# Altium PCB 2-quilter-output.PcbDoc (part 18 of 26)
Units mil, origin at the board's own origin, x right, y up, seen from the top; angles counter-clockwise.
Board outline 4130.55 x 4250 mil, 8 copper layers (L1, Ground L2, L3, Power L4, Ground L5, L6, Ground L7, L8), stack 62.985 mil thick; 591 components, 494 nets, 2245 pads, 1508 vias.
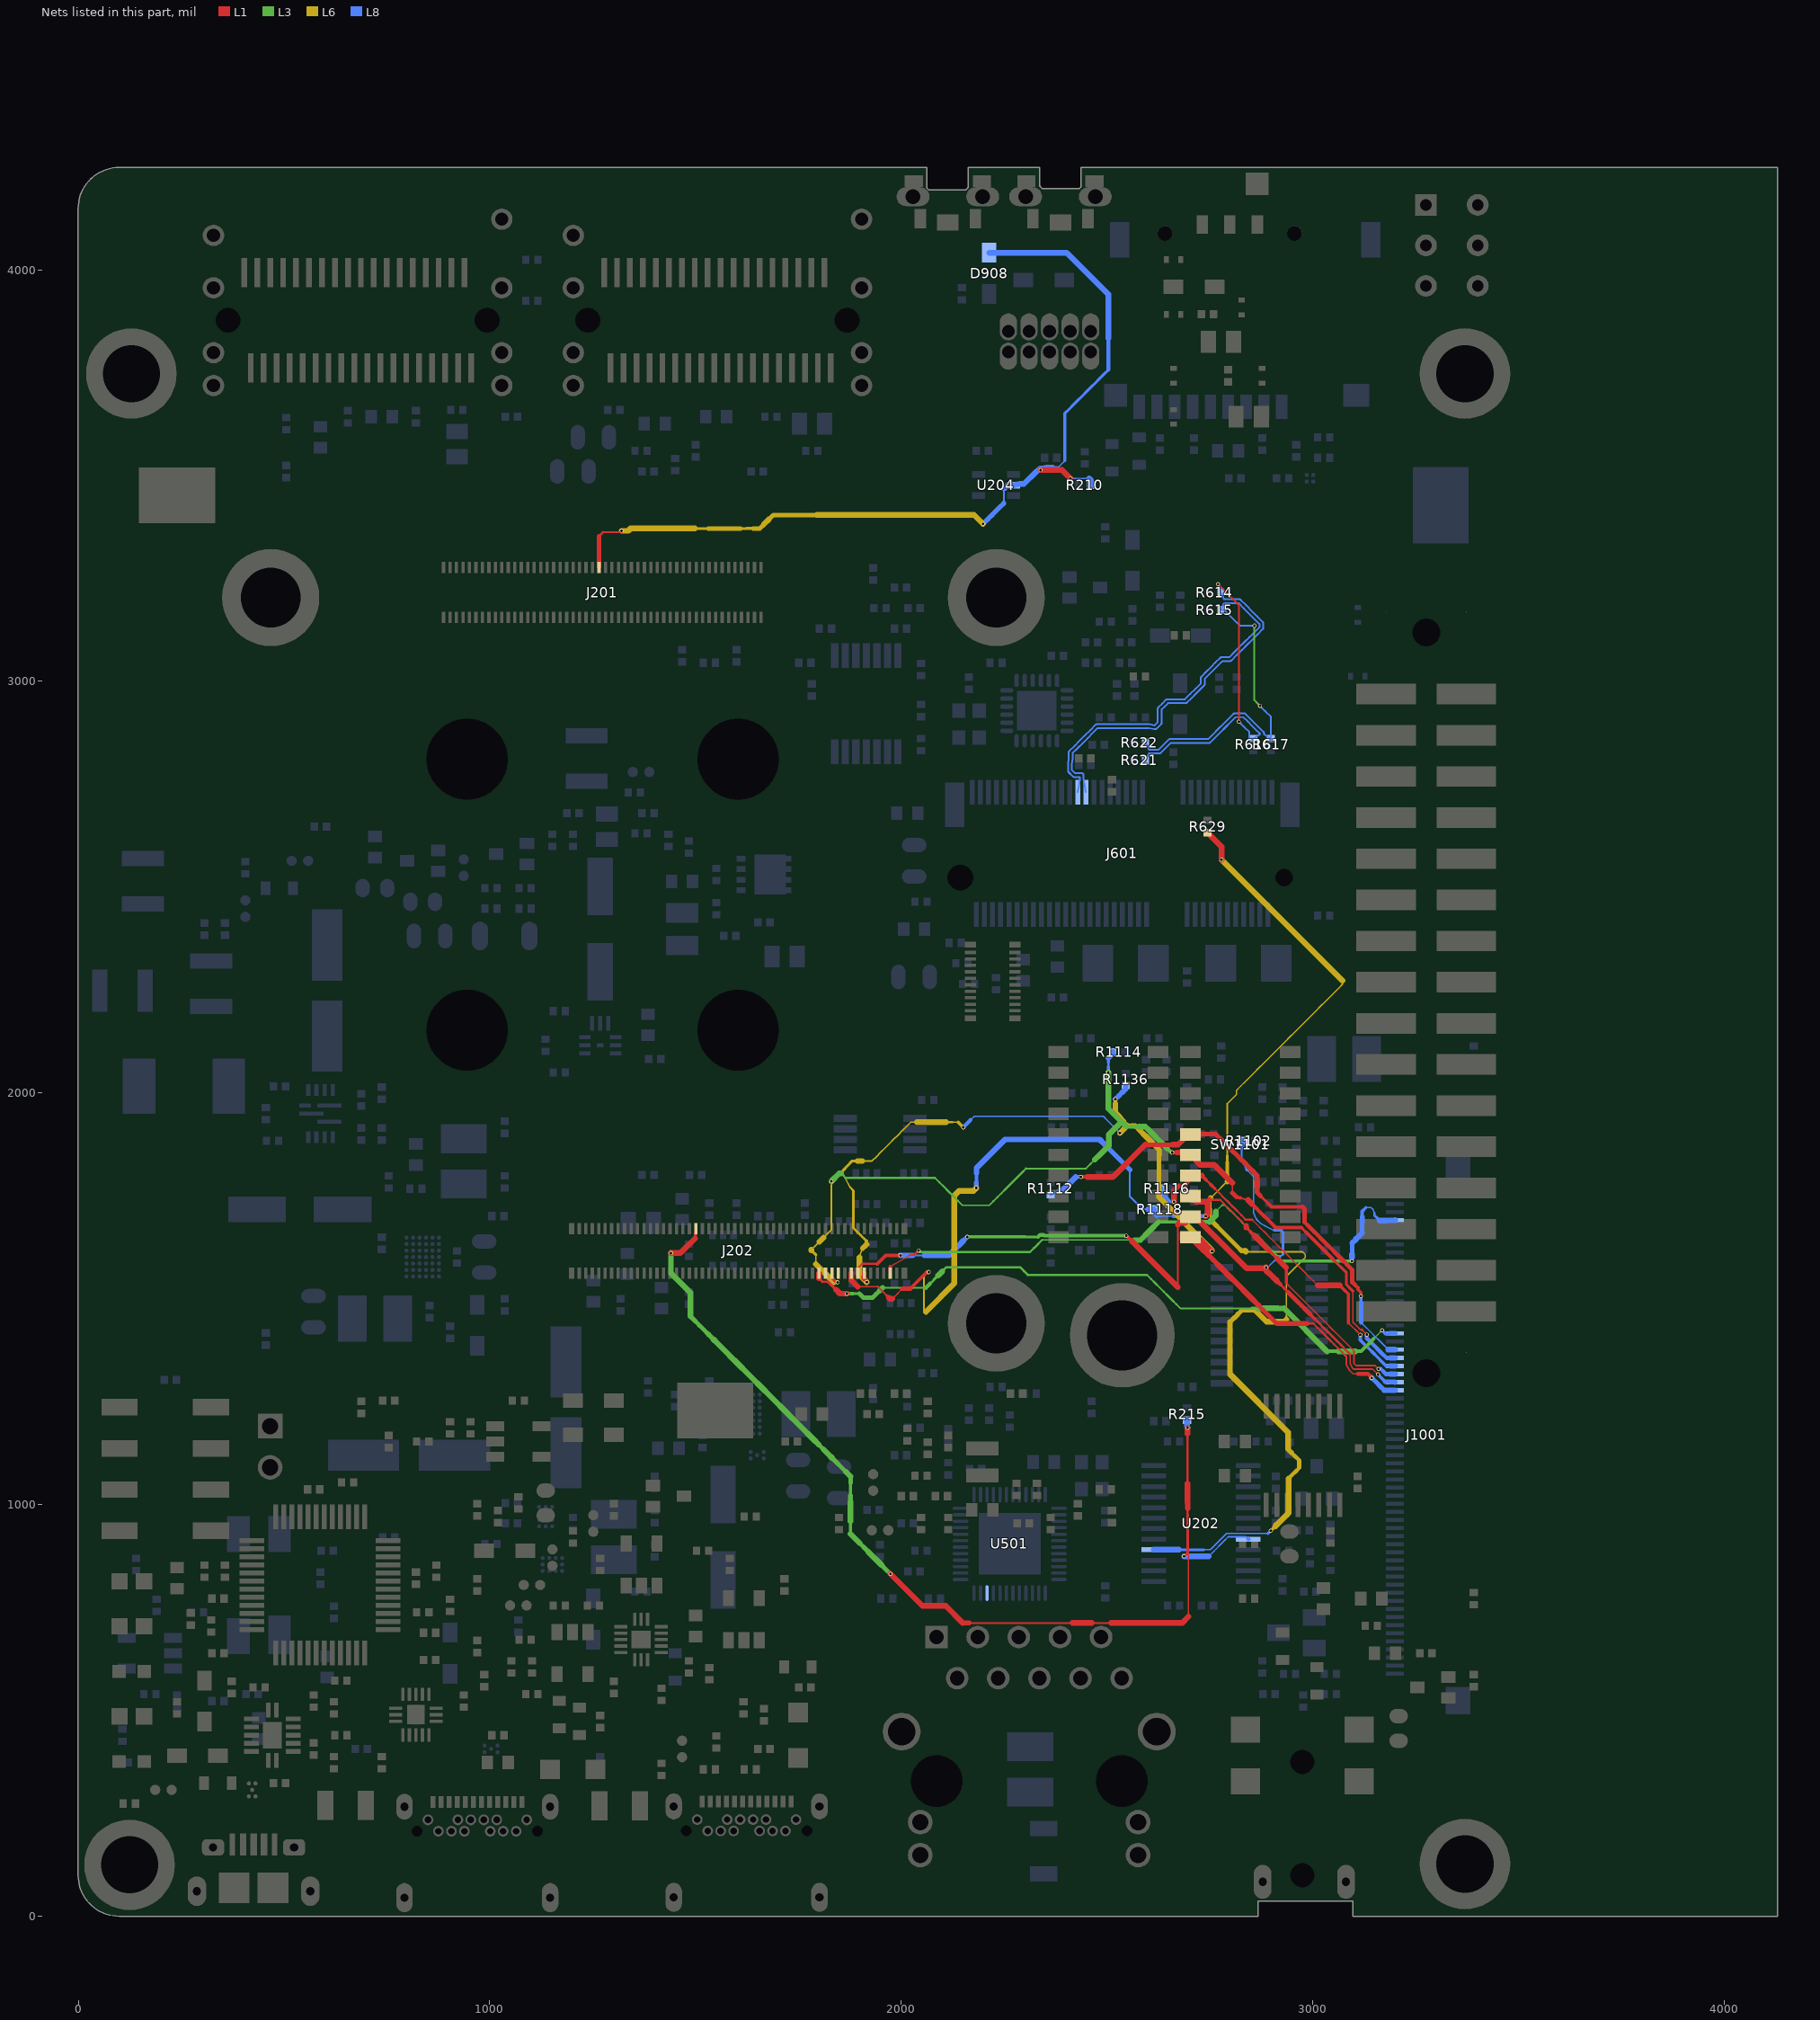
[diagram p24: the nets of this part, all layers, seen from the top]

## Via types
v1: diameter 9.85, hole 5.91, L1 to L8, tented both sides, 1508 vias

## Nets (pads, with @x,y where several pads share a name; then routed paths per layer and width w, separated by ;. In a path a pad name is that pad's centre, name@x,y a point inside that pad or via, vN(x,y) a via of type N, cw(c..) or ccw(c..) an arc to the next point about the centre after c; other vN are vias at no path point) (continued)
POR_B: D908.A J201.50 R210.1 U204.2 | length 2249.1
  L1 w3.83: 1275.45,3362.26 1289.33,3362.26 1303.21,3362.26 1317.09,3362.26 v1(1320.5,3365.67)
  L1 w5.87: 1265.77,3352.58 1275.45,3362.26
  L1 w9.96: J201.50@1265.76,3276.42 1265.77,3291.65 1265.77,3306.88 1265.77,3322.12 1265.77,3337.35
  L1 w10.99: 1265.77,3337.35 1265.77,3352.58
  L1 w14.05: v1(2339.11,3513.28) 2391.27,3513.28 v1(2411.85,3492.7)
  L6 w6.9: 1499.45,3371.23 1515.16,3371.23 1530.88,3371.23 ; 1609.44,3371.23 1625.15,3371.23
  L6 w7.92: 1625.15,3371.23 1640.86,3371.23
  L6 w10.99: 1530.88,3371.23 1546.59,3371.23 1562.3,3371.23 1578.01,3371.23 1593.72,3371.23 1609.44,3371.23 ; 1640.86,3371.23 1656.57,3371.23 1667.57,3382.24 ; 1678.57,3393.24 1689.57,3404.24 1704.59,3404.24 1719.61,3404.24 1734.62,3404.24 1749.64,3404.24 1764.65,3404.24 1779.67,3404.24 1795.1,3404.24
  L6 w14.05: v1(1320.5,3365.67) 1336.78,3365.67 1342.34,3371.23 1358.05,3371.23 1373.76,3371.23 1389.47,3371.23 1405.18,3371.23 1420.89,3371.23 1436.61,3371.23 1452.32,3371.23 1468.03,3371.23 1483.74,3371.23 1499.45,3371.23 ; 1667.57,3382.24 1678.57,3393.24 ; 1795.1,3404.24 1810.54,3404.24 1825.97,3404.24 1841.41,3404.24 1856.84,3404.24 1872.28,3404.24 1887.71,3404.24 1903.15,3404.24 1918.58,3404.24 1934.02,3404.24 1949.45,3404.24 1964.88,3404.24 1980.32,3404.24 1995.75,3404.24 2011.19,3404.24 2026.62,3404.24 2042.06,3404.24 2057.49,3404.24 2072.93,3404.24 2088.36,3404.24 2103.8,3404.24 2119.23,3404.24 2134.67,3404.24 2150.1,3404.24 2177.11,3404.24 2198.99,3382.36 v1(2199.38,3382.36)
  L8 w3.5: 2381.78,3519.51 2389.89,3527.62 2398,3535.73 ; v1(2411.85,3492.7) 2426.85,3492.7 2442.16,3492.7 2457.47,3492.7
  L8 w4.85: 2249.8,3432.77 2249.8,3444.62 2249.8,3456.46 2249.8,3468.3
  L8 w6.9: 2368.28,3519.51 2381.78,3519.51 ; 2398,3535.73 2398,3550.16 2398,3564.59 2398,3579.02 2398,3593.44 2398,3607.87 2398,3622.3 2398,3636.73 2398,3651.16 2408.56,3661.72 2419.12,3672.29 2429.68,3682.85 2440.25,3693.41 2450.81,3703.97 2461.37,3714.54 2471.93,3725.1 2482.5,3735.66 2493.06,3746.22 2503.62,3756.79
  L8 w7.92: v1(2199.38,3382.36) 2205.13,3388.11
  L8 w9.96: 2503.62,3756.79 2503.62,3772.11 2503.62,3787.44 2503.62,3802.77 2503.62,3818.1 2503.62,3833.42
  L8 w12.01: 2205.13,3388.11 2210.88,3393.85 2220.61,3403.58 2230.34,3413.31 2240.07,3423.04 2249.8,3432.77
  L8 w14.05: D908.A@2214.2,4041.47 2402.86,4041.48 2503.62,3940.71 2503.62,3925.38 2503.62,3910.06 2503.62,3894.73 2503.62,3879.4 2503.62,3864.08 2503.62,3848.75 2503.62,3833.42 ; 2249.8,3468.3 2258.3,3476.81 U204.2@2273.29,3476.82 2289.29,3479.48 2298.9,3479.48 2328.17,3508.74 v1@2338.9,3517.14 ; v1(2339.11,3513.28) 2339.11,3516.93 v1@2338.9,3517.14 ; 2368.28,3519.51 2354.77,3519.51 v1@2338.9,3517.14 ; 2457.47,3492.7 2461.2,3488.97 R210.1@2461.2,3476.82
PPS/GPIO: U501.22
REF_CLK_32K: J202.37 R215.1 U202.8 | length 2548.9
  L1 w3.5: 2696.37,881.74 2698.63,881.74 ; 2696.45,883.92 2698.63,881.74 ; 2698.63,726.94 2698.63,742.42 2698.63,757.9 2698.63,773.38 2698.63,788.86 2698.63,804.34 2698.63,819.82 2698.63,835.3 2698.63,850.78 2698.63,866.26 2698.63,881.74
  L1 w3.83: 2165.74,711.45 2181.41,711.45 2197.08,711.45 2212.75,711.45 2228.43,711.45 2244.1,711.45 2259.77,711.45 2275.45,711.45 2291.12,711.45 2306.79,711.45 2322.47,711.45 2338.14,711.45 2353.81,711.45 2369.49,711.45 2385.16,711.45 2400.83,711.45 2416.51,711.45 ; 2463.52,711.45 2479.2,711.45 2494.87,711.45 2510.54,711.45
  L1 w4.85: 2696.45,974.66 2696.45,989.78 ; 2696.45,1050.27 2696.45,1065.39 2696.45,1080.51 2696.45,1095.64 2696.45,1110.76 2696.45,1125.88 2696.45,1141 2696.45,1156.12 2696.45,1171.25
  L1 w5.87: J202.37@1500.04,1657.09 J202.37@1501.27,1669.64
  L1 w6.9: v1(2687.99,873.36) 2696.37,881.74 ; 2696.45,883.92 2696.45,899.04 2696.45,914.17 2696.45,929.29 2696.45,944.41 2696.45,959.53 2696.45,974.66
  L1 w7.92: 1498.95,1646.02 J202.37@1500.04,1657.09
  L1 w12.01: 2150.06,711.45 2165.74,711.45
  L1 w13.03: 2696.45,989.78 2696.45,1004.9
  L1 w14.05: v1(1440.6,1610.34) 1463.27,1610.34 1498.95,1646.02 ; v1(1974.3,830.56) 2051.7,753.15 2108.36,753.15 2150.06,711.45 ; 2416.51,711.45 2432.18,711.45 2447.85,711.45 2463.52,711.45 ; 2510.54,711.45 2526.22,711.45 2541.89,711.45 2557.56,711.45 2573.24,711.45 2588.91,711.45 2604.58,711.45 2620.26,711.45 2635.93,711.45 2651.6,711.45 2667.28,711.45 2682.95,711.45 2683.15,711.45 2698.63,726.94 ; 2696.45,1004.9 2696.45,1020.02 2696.45,1035.15 2696.45,1050.27 ; 2696.45,1171.25 v1(2696.45,1186.37)
  L3 w7.92: 1877.06,927.79 1877.06,943.34 1877.06,958.9 ; 1877.06,1021.11 1877.06,1036.66 1877.06,1052.22
  L3 w10.99: 1498.82,1446.02 1509.94,1434.89 1521.07,1423.77 1532.19,1412.64 ; 1799.19,1145.65 1810.31,1134.52 ; 1832.56,1112.27 1843.69,1101.15 1854.81,1090.02 1865.94,1078.9 ; 1877.06,1052.22 1877.06,1067.77 ; 1898.67,906.18 1909.47,895.38 ; 1952.69,852.16 1963.49,841.36 v1(1974.3,830.56)
  L3 w12.01: 1487.69,1457.14 1498.82,1446.02 ; 1877.06,1005.56 1877.06,1021.11 ; 1909.47,895.38 1920.28,884.57
  L3 w13.03: 1532.19,1412.64 1543.32,1401.52 ; 1810.31,1134.52 1821.44,1123.4
  L3 w14.05: v1(1440.6,1610.34) 1440.6,1561.95 1487.69,1514.86 1487.69,1457.14 ; 1543.32,1401.52 1554.44,1390.39 1565.57,1379.27 1576.69,1368.14 1587.82,1357.02 1598.94,1345.9 1610.07,1334.77 1621.19,1323.65 1632.32,1312.52 1643.44,1301.4 1654.57,1290.27 1665.69,1279.15 1676.82,1268.02 1687.94,1256.9 1699.07,1245.77 1710.19,1234.65 1721.32,1223.52 1732.44,1212.4 1743.57,1201.27 1754.69,1190.15 1765.81,1179.02 1776.94,1167.9 1788.06,1156.77 1799.19,1145.65 ; 1821.44,1123.4 1832.56,1112.27 ; 1865.94,1078.9 1877.06,1067.77 ; 1877.06,927.79 1887.87,916.98 1898.67,906.18 ; 1877.06,958.9 1877.06,974.45 1877.06,990 1877.06,1005.56 ; 1920.28,884.57 1931.08,873.77 1941.89,862.97 1952.69,852.16
  L8 w3.5: 2747.57,873.36 2757.1,882.89 2766.62,892.42 2776.15,901.94 2785.68,911.47 2795.2,921
  L8 w3.83: 2795.2,921 2808.46,921 2821.71,921 2830.03,921 2838.35,921 U202.8@2844.15,915.19
  L8 w14.05: v1(2687.99,873.36) 2707.34,873.36 2747.57,873.36 ; R215.1@2695.27,1204.24 2695.28,1187.55 v1(2696.45,1186.37)
REF_CLK_32K_3V3: R629.2 U202.16 | length 2723.5
  L1 w14.05: R629.2@2745.04,2631.98 2778.86,2598.16 2778.86,2577.98 v1(2778.86,2566.8)
  L6 w3.5: 2752.55,1744.18 2762.61,1754.23 2772.66,1764.29 2782.72,1774.35 2792.78,1784.4 ; 2792.78,1973.26 2800.23,1980.71 2807.68,1988.16 2815.13,1995.61 2815.13,2005.65 2825.9,2016.42 2836.67,2027.19 2847.44,2037.96 2858.21,2048.72 2868.98,2059.49 2879.75,2070.26 2890.52,2081.03 2901.29,2091.8 2912.05,2102.57 2922.82,2113.34 2933.59,2124.11 2944.36,2134.88 2955.13,2145.65 2965.9,2156.42 2976.67,2167.19 2987.44,2177.95 2998.21,2188.72 3008.98,2199.49 3019.75,2210.26 3030.52,2221.03 3041.28,2231.8 3052.05,2242.57 3062.82,2253.34 3073.35,2263.87 3073.35,2272.31 ; 2838.6,1613.61 2845.82,1613.61 2860.25,1613.61 2874.67,1613.61 2889.1,1613.61 2903.53,1613.61 2917.96,1613.61 2932.38,1613.61 2946.81,1613.61 2961.24,1613.61 2975.67,1613.61 2982.76,1606.53 2982.76,1600.11 2976.04,1593.4 2966.12,1583.48 2956.21,1573.56 2946.29,1563.64 2936.37,1553.72 2936.37,1539.91 2936.37,1526.1 2936.37,1512.28 2936.37,1498.47 2936.37,1484.66 2936.37,1470.84 2936.37,1457.03
  L6 w3.83: 2752.55,1717.59 2752.55,1730.88 2752.55,1744.17
  L6 w4.85: 2752.55,1691 2752.55,1704.3 ; 2792.78,1847.36 2792.78,1863.1 2792.78,1878.84 2792.78,1894.57 2792.78,1910.31 2792.78,1926.05 2792.78,1941.79 2792.78,1957.52 2792.78,1973.26
  L6 w5.87: 2752.55,1704.3 2752.55,1717.59 ; 2936.37,1448.79 2936.37,1457.03
  L6 w6.9: 2792.78,1831.62 2792.78,1847.36
  L6 w7.92: 2792.78,1800.15 2792.78,1815.89 2792.78,1831.62 ; v1(2898.83,935.94) 2909.93,947.04
  L6 w9.96: 2941.74,1062.33 2951.35,1071.95 2959.48,1080.08 2967.61,1088.21 2967.61,1097.52 2967.61,1106.83 2957.53,1116.92 2950.17,1124.27
  L6 w10.99: 2752.55,1691 2763.61,1679.95 2774.66,1668.89 2785.72,1657.84 2796.77,1646.78 2807.83,1635.73 2818.88,1624.67 2826.86,1616.7 ; 2792.78,1784.41 2792.78,1800.15 ; 2799.39,1442.38 2809.2,1452.19 ; 2819.01,1461.99 2828.81,1471.8 2844.46,1471.8 2860.22,1471.8 ; 2940.51,1133.94 2950.17,1124.27
  L6 w12.01: 2809.2,1452.19 2819.01,1461.99 ; 2826.86,1616.7 2835.52,1616.7
  L6 w14.05: v1(2778.86,2566.8) 3073.35,2272.31 ; 2799.39,1442.38 2799.39,1316.22 2940.51,1175.09 2940.51,1133.94 ; 2835.52,1616.7 2838.6,1613.61 ; 2860.22,1471.8 2888.61,1443.4 2930.98,1443.4 2936.37,1448.79 ; 2909.93,947.04 2921.02,958.13 2932.12,969.23 2941.73,978.84 2941.73,1062.33
  L8 w3.5: 2781.26,919.21 2791.13,929.09 2805.51,929.09 2819.88,929.09 2834.25,929.09 2848.62,929.09 2862.99,929.09 2877.36,929.09
  L8 w3.83: 2736.37,889.59 2751.63,889.59 2761.51,899.46 2771.38,909.34 2781.26,919.21 ; 2877.36,929.09 2891.73,929.09
  L8 w5.87: 2891.97,929.08 v1(2898.83,935.94)
  L8 w6.9: 2675.31,889.59 2690.58,889.59 2705.84,889.59 2721.11,889.59 2736.37,889.59
  L8 w7.92: 2891.73,929.08 2891.97,929.08
  L8 w14.05: U202.16@2614.25,889.59 2629.52,889.59 2644.78,889.59 2660.05,889.59 2675.31,889.59
REF_CLK_CN_N: J601.49 R615.2 R617.2 R622.1 | length 1637
  L3 w4.33: v1(2858.81,3135.15) 2858.81,3117.05 2858.81,3098.95 2858.81,3080.84 2858.81,3062.74 2858.81,3044.64 2858.81,3026.54 2858.81,3008.44 2858.81,2990.34 2858.81,2972.23 2858.81,2954.13 2865.62,2947.32 v1(2872.44,2940.51)
  L8 w4.28: J601.49@2429.36,2730.52 2431.95,2745.68 2434.56,2760.82 2434.26,2767.53 2420.78,2767.53 2420.68,2767.54 2420.56,2767.54 2420.43,2767.55 2420.31,2767.56 2420.19,2767.57 2420.07,2767.59 2419.95,2767.61 2419.83,2767.63 2419.71,2767.66 2419.59,2767.69 2419.48,2767.72 2419.36,2767.76 2419.24,2767.8 2419.13,2767.84 2419.02,2767.88 2418.9,2767.93 2418.79,2767.98 2418.68,2768.04 2418.57,2768.09 2418.47,2768.15 2418.36,2768.22 2418.26,2768.28 2418.16,2768.35 2418.06,2768.42 2417.96,2768.49 2417.87,2768.57 2417.77,2768.65 2417.68,2768.73 2417.59,2768.81 2417.5,2768.89 2407.32,2779.08 2407.24,2779.16 2407.16,2779.25 2407.08,2779.34 2407,2779.43 2406.92,2779.53 2406.85,2779.63 2406.78,2779.72 2406.71,2779.83 2406.65,2779.93 2406.58,2780.03 2406.52,2780.14 2406.47,2780.25 2406.41,2780.36 2406.36,2780.47 2406.31,2780.58 2406.27,2780.69 2406.23,2780.81 2406.19,2780.92 2406.15,2781.04 2406.12,2781.16 2406.09,2781.27 2406.06,2781.39 2406.03,2781.51 2406.01,2781.63 2406,2781.75 2405.98,2781.88 2405.97,2782 2405.96,2782.12 2405.96,2782.24 2405.96,2782.36 2405.96,2798.47 2405.96,2798.53 2405.96,2798.66 2405.97,2798.78 2405.98,2798.9 2405.99,2799.02 2407.67,2813.14 2407.67,2827.3 2407.68,2827.41 2407.68,2827.53 2407.69,2827.65 2407.7,2827.78 2407.71,2827.9 2407.73,2828.02 2407.75,2828.14 2407.77,2828.26 2407.8,2828.38 2407.83,2828.5 2407.86,2828.61 2407.9,2828.73 2407.94,2828.84 2407.98,2828.96 2408.02,2829.07 2408.07,2829.18 2408.12,2829.3 2408.18,2829.41 2408.23,2829.51 2408.29,2829.62 2408.36,2829.72 2408.42,2829.83 2408.49,2829.93 2408.56,2830.03 2408.63,2830.13 2408.71,2830.22 2408.78,2830.32 2408.87,2830.41 2408.95,2830.5 2409.03,2830.59 2421.76,2843.31 2434.49,2856.04 2447.22,2868.77 2459.95,2881.5 2472.68,2894.23 2472.76,2894.31 2472.85,2894.39 2472.94,2894.47 2473.03,2894.55 2473.13,2894.62 2473.22,2894.7 2473.32,2894.77 2473.42,2894.84 2473.53,2894.9 2473.63,2894.96 2473.74,2895.02 2473.85,2895.08 2473.96,2895.13 2474.07,2895.19 2474.18,2895.23 2474.29,2895.28 2474.41,2895.32 2474.52,2895.36 2474.64,2895.4 2474.76,2895.43 2474.87,2895.46 2474.99,2895.49 2475.11,2895.51 2475.23,2895.53 2475.35,2895.55 2475.47,2895.57 2475.6,2895.58 2475.72,2895.58 2475.84,2895.59 2475.96,2895.59 2494.1,2895.59 2512.23,2895.59 2530.37,2895.59 2548.51,2895.59 2566.64,2895.59 2584.78,2895.59 2602.91,2895.59 2603.02,2895.59 2603.15,2895.58 2603.27,2895.58 2603.39,2895.57 2603.51,2895.55 2603.63,2895.53 2603.75,2895.51 2603.87,2895.49 2616.05,2892.92 2623.95,2900.81 2623.95,2917 2623.95,2933.18 2623.95,2933.29 2623.95,2933.41 2623.96,2933.53 2623.97,2933.65 2623.98,2933.77 2624,2933.89 2624.02,2934.01 2624.05,2934.13 2624.07,2934.25 2624.1,2934.37 2624.13,2934.49 2624.17,2934.61 2624.21,2934.72 2624.25,2934.84 2624.3,2934.95 2624.34,2935.06 2624.4,2935.17 2624.45,2935.28 2624.51,2935.39 2624.57,2935.5 2624.63,2935.6 2624.69,2935.7 2624.76,2935.81 2624.83,2935.9 2624.9,2936 2624.98,2936.1 2625.06,2936.19 2625.14,2936.28 2625.22,2936.37 2625.31,2936.46 2634.57,2945.73 2643.83,2954.99 2643.91,2955.06 2644,2955.15 2644.09,2955.23 2644.18,2955.31 2644.28,2955.38 2644.38,2955.46 2644.48,2955.53 2644.58,2955.59 2644.68,2955.66 2644.79,2955.72 2644.89,2955.78 2645,2955.84 2645.11,2955.89 2645.22,2955.94 2645.33,2955.99 2645.45,2956.04 2645.56,2956.08 2645.68,2956.12 2645.79,2956.16 2645.91,2956.19 2646.03,2956.22 2646.15,2956.25 2646.27,2956.27 2646.39,2956.29 2646.51,2956.31 2646.63,2956.32 2646.75,2956.33 2646.87,2956.34 2646.99,2956.35 2647.11,2956.35 2661.41,2956.35 2675.7,2956.35 2690,2956.35 2702.9,2969.26 2715.81,2982.17 2728.72,2995.07 2728.72,3008.03 2728.72,3008.14 2728.73,3008.26 2728.73,3008.38 2728.75,3008.5 2728.76,3008.63 2728.78,3008.75 2728.8,3008.87 2728.82,3008.99 2728.85,3009.11 2728.88,3009.22 2728.91,3009.34 2728.95,3009.46 2728.98,3009.57 2729.03,3009.69 2729.07,3009.8 2729.12,3009.91 2729.17,3010.02 2729.22,3010.13 2729.28,3010.24 2729.34,3010.35 2729.4,3010.45 2729.47,3010.56 2729.53,3010.66 2729.61,3010.76 2729.68,3010.85 2729.75,3010.95 2729.83,3011.04 2729.91,3011.14 2729.99,3011.23 2730.08,3011.31 2741.53,3022.77 2752.99,3034.22 2764.44,3045.67 2775.89,3057.13 2775.97,3057.2 2776.06,3057.28 2776.15,3057.36 2776.24,3057.44 2776.34,3057.52 2776.44,3057.59 2776.54,3057.66 2776.64,3057.73 2776.74,3057.8 2776.85,3057.86 2776.95,3057.92 2777.06,3057.98 2777.17,3058.03 2777.28,3058.08 2777.39,3058.13 2777.5,3058.17 2777.62,3058.22 2777.73,3058.26 2777.85,3058.29 2777.97,3058.33 2778.09,3058.36 2778.21,3058.38 2778.32,3058.41 2778.44,3058.43 2778.57,3058.44 2778.69,3058.46 2778.81,3058.47 2778.93,3058.48 2779.05,3058.48 2779.17,3058.49 2797.74,3058.49 2809.96,3070.7 2822.18,3082.92 2834.39,3095.14 2846.61,3107.35 2858.83,3119.57 2871.05,3131.79 2871.05,3139.2 2858.35,3151.89 2845.66,3164.58 2832.97,3177.27 2820.28,3189.97 2802.84,3189.97 2785.39,3189.97 R615.2@2776.38,3173.37 2785.39,3173.39 2798.14,3160.64 2810.89,3147.89 2823.63,3135.15 2841.22,3135.15 v1(2858.81,3135.15) ; R622.1@2593.91,2850.58 2602.91,2834.01 2614.59,2834.01 2626.26,2834.01 2638.28,2846.03 2650.3,2858.04 2650.38,2858.12 2650.47,2858.2 2650.56,2858.28 2650.65,2858.36 2650.75,2858.44 2650.84,2858.51 2650.94,2858.58 2651.04,2858.65 2651.15,2858.71 2651.25,2858.78 2651.36,2858.84 2651.47,2858.89 2651.58,2858.95 2651.69,2859 2651.8,2859.05 2651.91,2859.09 2652.03,2859.14 2652.14,2859.17 2652.26,2859.21 2652.37,2859.24 2652.49,2859.27 2652.61,2859.3 2652.73,2859.33 2652.85,2859.35 2652.97,2859.36 2653.09,2859.38 2653.22,2859.39 2653.34,2859.4 2653.46,2859.4 2653.58,2859.4 2672.16,2859.4 2690.74,2859.4 2709.32,2859.4 2727.9,2859.4 2746.47,2859.4 2758.75,2871.68 2771.03,2883.96 2783.3,2896.23 2795.58,2908.51 2807.86,2920.79 2807.94,2920.86 2808.02,2920.95 2808.12,2921.03 2808.21,2921.11 2808.31,2921.18 2808.4,2921.25 2808.5,2921.32 2808.6,2921.39 2808.71,2921.46 2808.81,2921.52 2808.92,2921.58 2809.03,2921.64 2809.13,2921.69 2809.25,2921.74 2809.36,2921.79 2809.47,2921.84 2809.59,2921.88 2809.7,2921.92 2809.82,2921.95 2809.93,2921.99 2810.05,2922.02 2810.17,2922.04 2810.29,2922.07 2810.41,2922.09 2810.53,2922.11 2810.65,2922.12 2810.77,2922.13 2810.9,2922.14 2811.02,2922.15 2811.14,2922.15 2822.49,2922.15 2833.85,2922.15 2833.96,2922.15 2834.08,2922.14 2834.2,2922.13 2834.32,2922.12 2834.44,2922.11 2834.56,2922.09 2834.68,2922.07 2834.8,2922.05 2834.92,2922.02 2835.04,2921.99 2835.16,2921.96 2835.27,2921.92 2835.39,2921.88 2835.5,2921.84 2835.62,2921.8 2835.73,2921.75 2835.84,2921.7 2835.95,2921.64 2836.06,2921.59 2836.16,2921.53 2836.27,2921.47 2836.37,2921.4 2836.47,2921.33 2836.57,2921.26 2836.67,2921.19 2836.77,2921.11 2836.86,2921.04 2836.95,2920.96 2837.04,2920.87 2837.13,2920.79 2848.05,2909.87 2858.97,2898.95 2869.89,2888.02 2880.82,2877.1 2880.89,2877.03 2880.97,2876.94 2881.05,2876.84 2881.13,2876.75 2881.21,2876.66 2881.28,2876.56 2881.35,2876.46 2881.42,2876.36 2881.49,2876.25 2881.55,2876.15 2881.61,2876.04 2881.66,2875.94 2881.72,2875.83 2881.77,2875.72 2881.82,2875.6 2881.86,2875.49 2881.91,2875.38 2881.95,2875.26 2881.98,2875.14 2882.01,2875.03 2882.04,2874.91 2882.07,2874.79 2882.1,2874.67 2882.12,2874.55 2882.13,2874.43 2882.15,2874.31 2882.16,2874.19 2882.17,2874.07 2882.17,2873.94 2882.17,2873.82 2882.17,2871.14 2890.58,2865.93 R617.2@2898.97,2860.72 2898.98,2878.47 2898.98,2896.22 2898.98,2913.97 2885.71,2927.24 v1(2872.44,2940.51)
REF_CLK_CN_P: J601.47 R614.2 R616.2 R621.1 | length 1687.7
  L1 w4.28: v1(2770.66,3236) 2783.31,3223.35 2795.97,3210.7 2808.62,3198.05 2821.27,3185.39 2821.27,3166.48 2821.27,3147.56 2821.27,3128.64 2821.27,3109.72 2821.27,3090.8 2821.27,3071.89 2821.27,3052.97 2821.27,3034.05 2821.27,3015.13 2821.27,2996.21 2821.27,2977.3 2821.27,2958.38 2821.27,2939.46 2821.27,2920.54 v1(2821.27,2901.62)
  L8 w4.28: J601.47@2449.05,2730.52 2446.43,2745.88 2443.83,2761.23 2443.34,2772.38 2443.34,2772.5 2443.33,2772.62 2443.31,2772.74 2443.3,2772.86 2443.28,2772.98 2443.25,2773.1 2443.23,2773.22 2443.2,2773.34 2443.17,2773.46 2443.13,2773.57 2443.09,2773.69 2443.05,2773.8 2443.01,2773.92 2442.96,2774.03 2442.91,2774.14 2442.86,2774.25 2442.8,2774.36 2442.74,2774.47 2442.68,2774.57 2442.61,2774.68 2442.55,2774.78 2442.48,2774.88 2442.41,2774.98 2442.33,2775.07 2442.25,2775.17 2442.17,2775.26 2442.09,2775.35 2442.01,2775.44 2441.92,2775.52 2441.83,2775.61 2441.74,2775.69 2441.65,2775.76 2441.55,2775.84 2441.45,2775.91 2441.35,2775.99 2441.25,2776.05 2441.15,2776.12 2441.05,2776.18 2440.94,2776.24 2440.83,2776.3 2440.72,2776.35 2440.61,2776.41 2440.5,2776.45 2440.39,2776.5 2440.27,2776.54 2440.16,2776.58 2440.04,2776.62 2439.92,2776.65 2439.81,2776.68 2439.69,2776.71 2439.57,2776.73 2439.45,2776.75 2439.33,2776.77 2439.21,2776.79 2439.08,2776.8 2438.96,2776.81 2438.84,2776.81 2438.72,2776.81 2422.71,2776.81 2415.24,2784.28 2415.24,2798.2 2416.92,2812.32 2416.93,2812.44 2416.94,2812.56 2416.95,2812.68 2416.95,2812.8 2416.95,2812.86 2416.95,2825.38 2429.14,2837.57 2441.33,2849.75 2453.51,2861.94 2465.7,2874.12 2477.88,2886.31 2495.68,2886.31 2513.47,2886.31 2531.26,2886.31 2549.05,2886.31 2566.84,2886.31 2584.64,2886.31 2602.43,2886.31 2615.23,2883.61 2615.35,2883.59 2615.47,2883.57 2615.59,2883.55 2615.72,2883.53 2615.84,2883.52 2615.96,2883.51 2616.08,2883.51 2616.19,2883.51 2617.85,2883.51 2617.97,2883.51 2618.09,2883.52 2618.21,2883.52 2618.33,2883.53 2618.45,2883.55 2618.57,2883.57 2618.69,2883.59 2618.81,2883.61 2618.93,2883.64 2619.05,2883.67 2619.17,2883.7 2619.28,2883.74 2619.4,2883.78 2619.51,2883.82 2619.63,2883.87 2619.74,2883.91 2619.85,2883.97 2619.96,2884.02 2620.07,2884.08 2620.17,2884.14 2620.28,2884.2 2620.38,2884.26 2620.48,2884.33 2620.58,2884.4 2620.68,2884.48 2620.78,2884.55 2620.87,2884.63 2620.96,2884.71 2621.05,2884.79 2621.13,2884.87 2631.87,2895.61 2631.95,2895.7 2632.03,2895.79 2632.12,2895.88 2632.19,2895.97 2632.27,2896.07 2632.34,2896.16 2632.41,2896.26 2632.48,2896.37 2632.54,2896.47 2632.61,2896.57 2632.67,2896.68 2632.72,2896.79 2632.78,2896.9 2632.83,2897.01 2632.88,2897.12 2632.92,2897.23 2632.96,2897.35 2633,2897.46 2633.04,2897.58 2633.07,2897.7 2633.1,2897.82 2633.13,2897.93 2633.15,2898.05 2633.17,2898.18 2633.19,2898.3 2633.2,2898.42 2633.21,2898.54 2633.22,2898.66 2633.22,2898.78 2633.23,2898.89 2633.23,2915.07 2633.23,2931.26 2641.13,2939.16 2649.04,2947.07 2663.33,2947.07 2677.62,2947.07 2691.92,2947.07 2692.04,2947.07 2692.16,2947.08 2692.28,2947.08 2692.4,2947.09 2692.53,2947.11 2692.65,2947.13 2692.77,2947.15 2692.89,2947.17 2693.01,2947.2 2693.12,2947.23 2693.24,2947.26 2693.36,2947.3 2693.47,2947.34 2693.59,2947.38 2693.7,2947.42 2693.81,2947.47 2693.92,2947.52 2694.03,2947.58 2694.14,2947.64 2694.25,2947.7 2694.35,2947.76 2694.45,2947.82 2694.56,2947.89 2694.65,2947.96 2694.75,2948.03 2694.85,2948.11 2694.94,2948.19 2695.03,2948.27 2695.12,2948.35 2695.2,2948.43 2705.56,2958.79 2715.92,2969.15 2726.28,2979.51 2736.64,2989.87 2736.73,2989.96 2736.81,2990.05 2736.89,2990.14 2736.97,2990.23 2737.04,2990.33 2737.12,2990.43 2737.19,2990.53 2737.25,2990.63 2737.32,2990.73 2737.38,2990.84 2737.44,2990.94 2737.5,2991.05 2737.55,2991.16 2737.6,2991.27 2737.65,2991.38 2737.7,2991.5 2737.74,2991.61 2737.78,2991.73 2737.81,2991.84 2737.85,2991.96 2737.88,2992.08 2737.9,2992.2 2737.93,2992.32 2737.95,2992.44 2737.96,2992.56 2737.98,2992.68 2737.99,2992.8 2738,2992.92 2738,2993.04 2738,2993.15 2738,3006.11 2748.77,3016.88 2759.55,3027.66 2770.32,3038.43 2781.1,3049.2 2799.67,3049.2 2799.79,3049.21 2799.91,3049.21 2800.03,3049.22 2800.15,3049.23 2800.27,3049.24 2800.39,3049.26 2800.51,3049.28 2800.63,3049.31 2800.75,3049.33 2800.87,3049.36 2800.99,3049.4 2801.11,3049.43 2801.22,3049.47 2801.34,3049.52 2801.45,3049.56 2801.56,3049.61 2801.67,3049.66 2801.78,3049.71 2801.89,3049.77 2801.99,3049.83 2802.1,3049.89 2802.2,3049.96 2802.3,3050.03 2802.4,3050.1 2802.5,3050.17 2802.6,3050.25 2802.69,3050.33 2802.78,3050.41 2802.87,3050.49 2802.95,3050.56 2815.62,3063.23 2828.29,3075.9 2840.96,3088.57 2853.63,3101.24 2866.3,3113.91 2878.97,3126.58 2879.05,3126.67 2879.13,3126.76 2879.21,3126.85 2879.29,3126.95 2879.37,3127.04 2879.44,3127.14 2879.51,3127.24 2879.58,3127.34 2879.64,3127.44 2879.71,3127.55 2879.77,3127.66 2879.82,3127.76 2879.88,3127.87 2879.93,3127.98 2879.98,3128.1 2880.02,3128.21 2880.06,3128.32 2880.1,3128.44 2880.14,3128.56 2880.17,3128.67 2880.2,3128.79 2880.23,3128.91 2880.25,3129.03 2880.27,3129.15 2880.29,3129.27 2880.3,3129.39 2880.31,3129.51 2880.32,3129.64 2880.32,3129.76 2880.33,3129.86 2880.33,3141.12 2880.32,3141.24 2880.32,3141.36 2880.31,3141.49 2880.3,3141.61 2880.29,3141.73 2880.27,3141.85 2880.25,3141.97 2880.22,3142.09 2880.2,3142.21 2880.17,3142.33 2880.13,3142.44 2880.1,3142.56 2880.06,3142.67 2880.01,3142.79 2879.97,3142.9 2879.92,3143.01 2879.87,3143.13 2879.82,3143.23 2879.76,3143.34 2879.7,3143.45 2879.64,3143.55 2879.57,3143.66 2879.5,3143.76 2879.43,3143.86 2879.36,3143.95 2879.28,3144.05 2879.21,3144.14 2879.12,3144.24 2879.04,3144.32 2878.97,3144.4 2865.59,3157.77 2852.22,3171.14 2838.85,3184.52 2825.48,3197.89 2825.39,3197.97 2825.3,3198.06 2825.21,3198.14 2825.12,3198.21 2825.02,3198.29 2824.92,3198.36 2824.82,3198.43 2824.72,3198.5 2824.62,3198.57 2824.51,3198.63 2824.41,3198.69 2824.3,3198.74 2824.19,3198.8 2824.08,3198.85 2823.97,3198.9 2823.85,3198.94 2823.74,3198.98 2823.62,3199.02 2823.51,3199.06 2823.39,3199.09 2823.27,3199.12 2823.15,3199.15 2823.03,3199.17 2822.91,3199.19 2822.79,3199.21 2822.67,3199.22 2822.55,3199.23 2822.43,3199.24 2822.31,3199.24 2822.2,3199.25 2803.8,3199.25 2785.39,3199.25 R614.2@2776.38,3215.81 2776.4,3225.83 2770.66,3231.56 v1(2770.66,3236) ; R621.1@2593.91,2808.13 2602.91,2824.73 2615.55,2824.73 2628.19,2824.73 2628.31,2824.73 2628.43,2824.74 2628.55,2824.74 2628.67,2824.76 2628.79,2824.77 2628.92,2824.79 2629.04,2824.81 2629.16,2824.83 2629.27,2824.86 2629.39,2824.89 2629.51,2824.92 2629.63,2824.96 2629.74,2825 2629.86,2825.04 2629.97,2825.09 2630.08,2825.13 2630.19,2825.19 2630.3,2825.24 2630.41,2825.3 2630.52,2825.36 2630.62,2825.42 2630.72,2825.48 2630.82,2825.55 2630.92,2825.62 2631.02,2825.7 2631.12,2825.77 2631.21,2825.85 2631.3,2825.93 2631.39,2826.01 2631.47,2826.09 2643.49,2838.11 2655.5,2850.12 2674.08,2850.12 2692.66,2850.12 2711.24,2850.12 2729.82,2850.12 2748.4,2850.12 2748.52,2850.13 2748.64,2850.13 2748.76,2850.14 2748.88,2850.15 2749,2850.16 2749.13,2850.18 2749.25,2850.2 2749.36,2850.23 2749.48,2850.25 2749.6,2850.28 2749.72,2850.32 2749.84,2850.35 2749.95,2850.39 2750.07,2850.43 2750.18,2850.48 2750.29,2850.53 2750.4,2850.58 2750.51,2850.63 2750.62,2850.69 2750.72,2850.75 2750.83,2850.81 2750.93,2850.88 2751.03,2850.95 2751.13,2851.02 2751.23,2851.09 2751.33,2851.17 2751.42,2851.24 2751.51,2851.32 2751.6,2851.41 2751.68,2851.48 2763.95,2863.76 2776.23,2876.04 2788.51,2888.31 2800.78,2900.59 2813.06,2912.87 2831.93,2912.87 2842.17,2902.62 2852.41,2892.38 2862.65,2882.14 2872.89,2871.9 2864.71,2866.31 R616.2@2856.52,2860.72 2846.54,2860.73 2846.54,2876.36 2833.9,2888.99 v1(2821.27,2901.62)